# Allegro board ZDRK-36-DE3-A02-20190729.brd (continued)
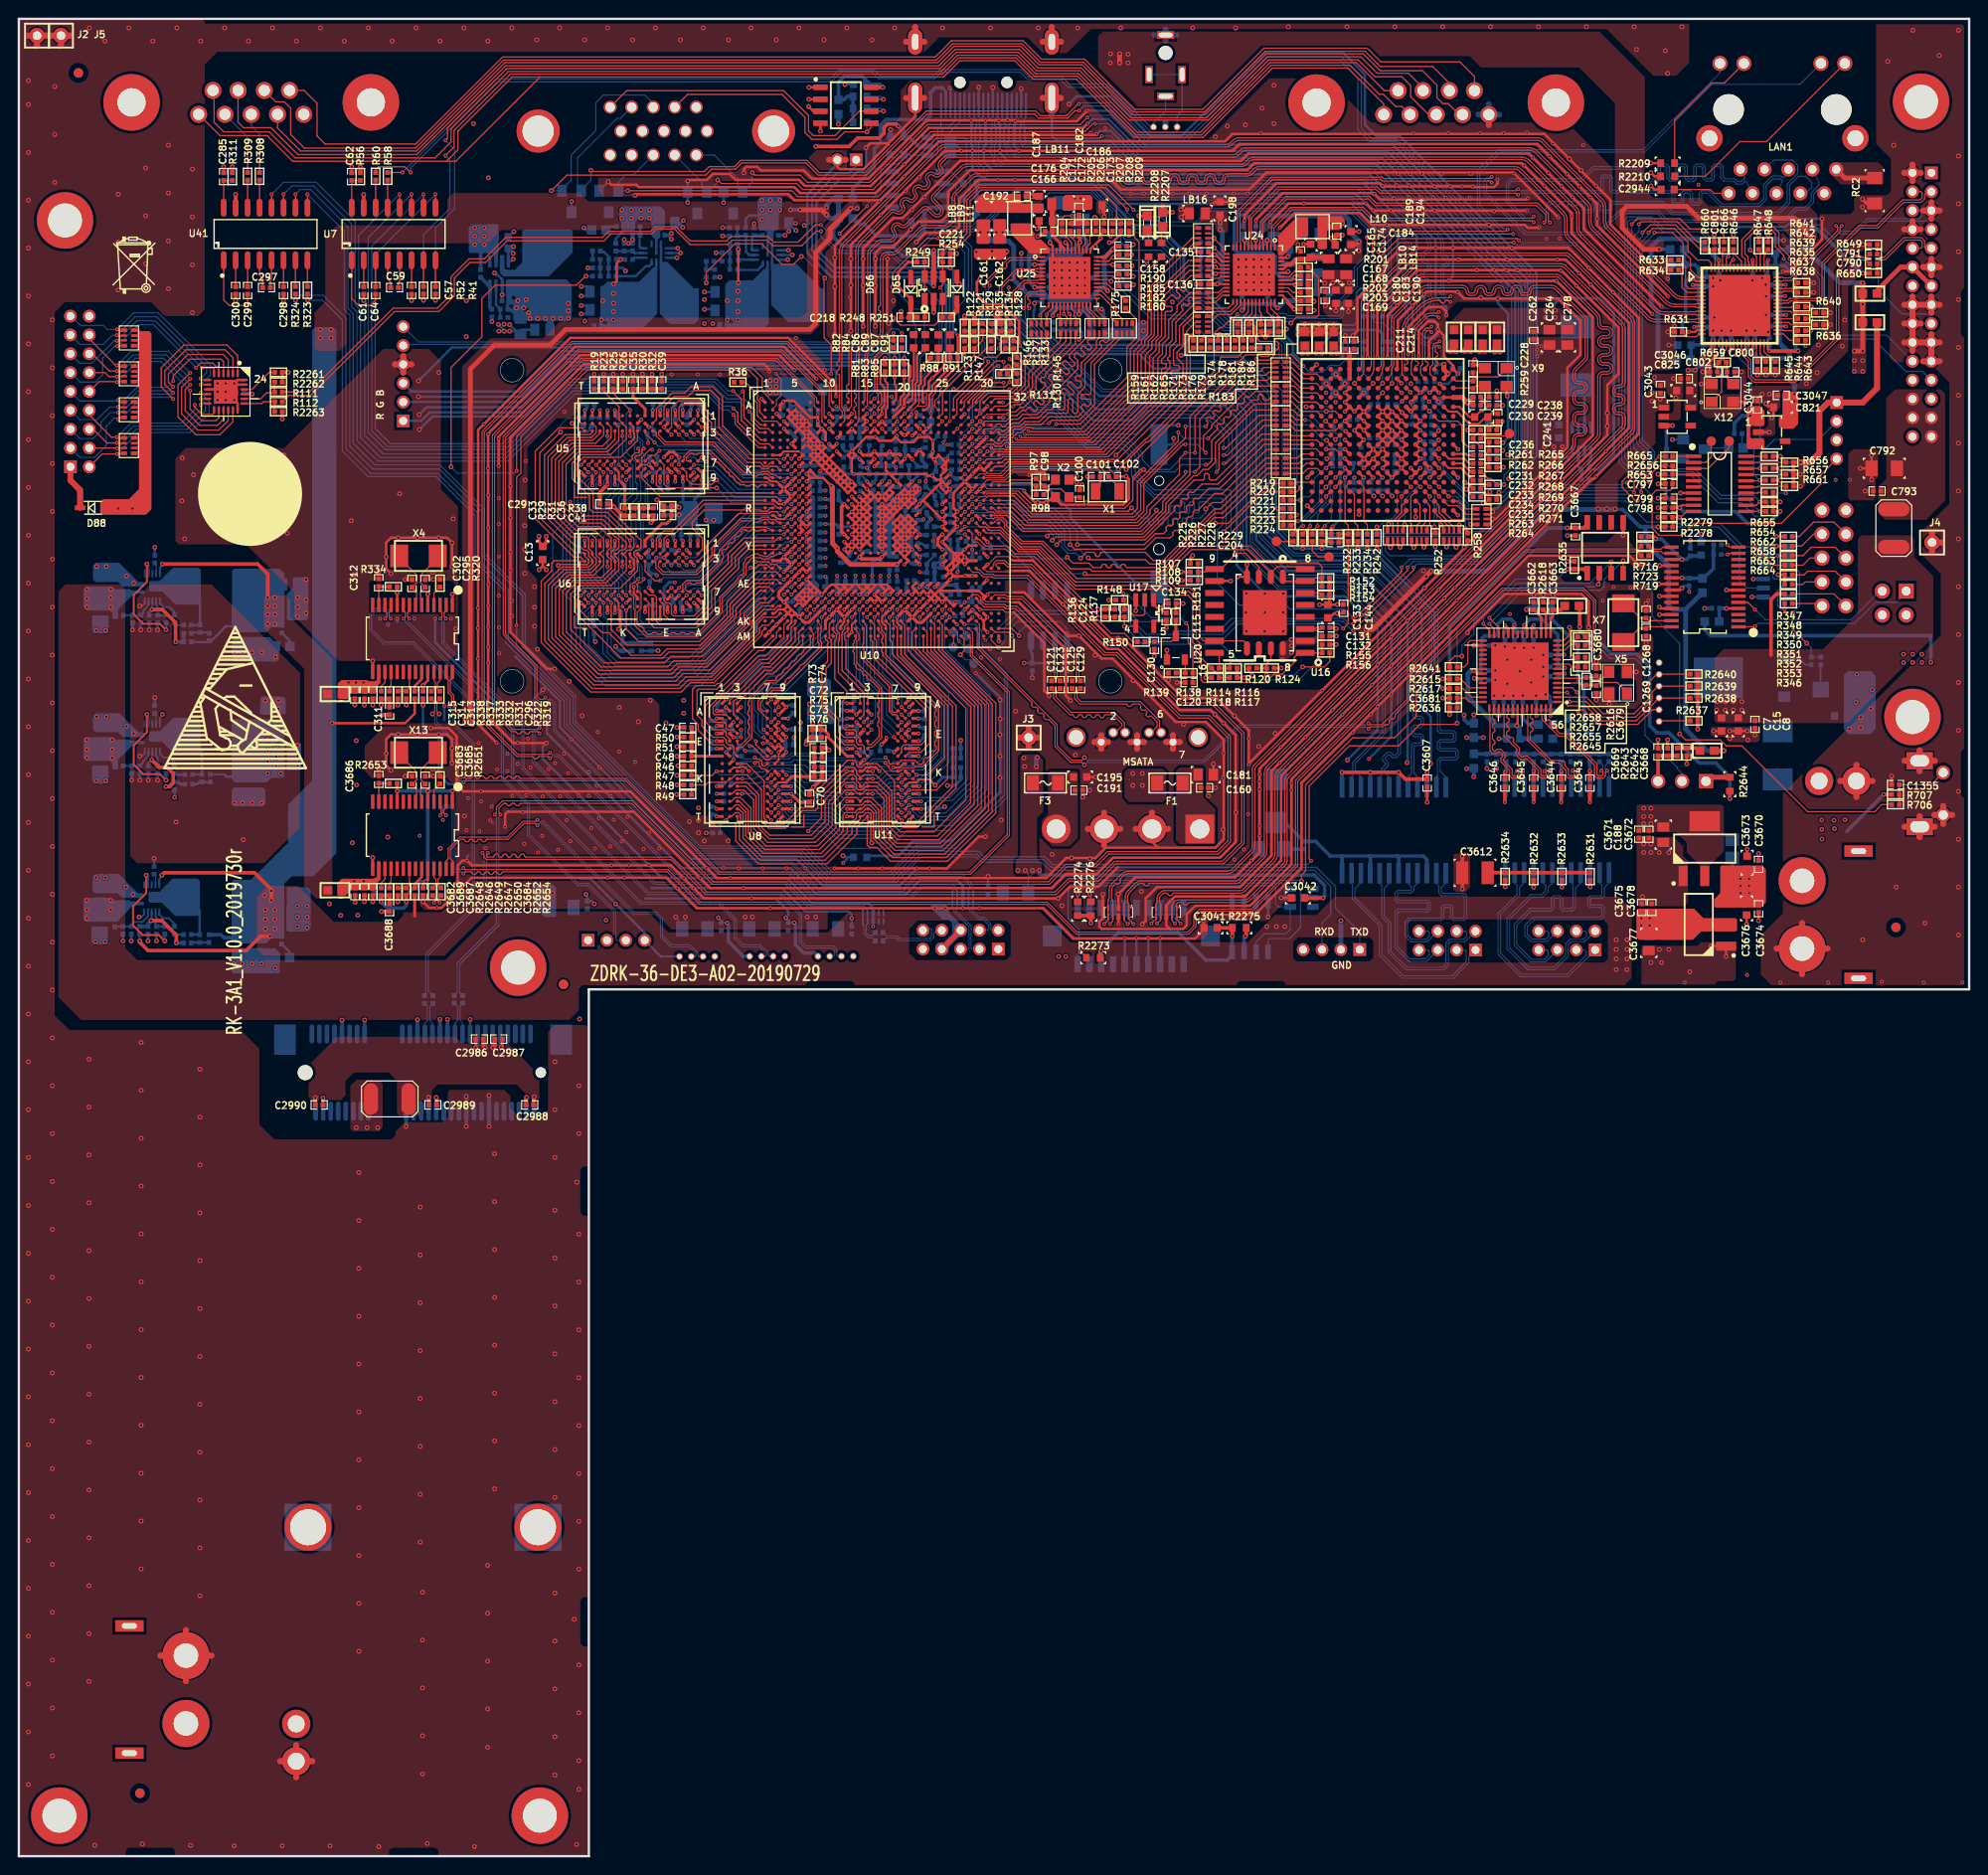
[diagram p0: board, top side]
## Routing (per net, layer and track width the routed paths; a pad name or vN(x,y) marks a point on that pad's centre or on a via; arc(x,y) is an arc through that point) (continued)
50.93,150.65 59.59,159.31 80.7,159.31 v1(82.3,157.71) ; U16.10 v2(128.63,135.33) ; R639.2 v2(190.25,164.44) ; v1(60.07,139.63) U6.T1 ; R636.2 v2(192.28,162.53) ; C2944.2 173.61,176.89 v2(173.23,177.27) ; C3687.2 v2(37.57,101.3) ; R2649.2 v2(40.23,101.3) ; C3607.2 v2(149.48,111.86) ; R2209.1 v2(173.23,179.68) ; C62.2 v2(35.33,179.3) ; C181.2 v2(126.8,115.93) ; U10.W13 v1(89.21,140.29) ; R647.1 v2(184.66,172.06) ; R642.2 v2(190.5,165.96) ; v2(93.98,158.98) R85.2 94.39,158.37 94.64,158.12 94.64,157 94.46,156.82 94.46,155.12 93.96,154.62 v1(93.96,153.89) ; C315.2 v2(35.66,122.17) ; C241.1 v2(157.43,152.27) ; U32.M16 v4(152.75,146.32) ; U103.18 23.22,154.17 v2(22.86,154.53) ; R2617.2 v2(151.13,123.93) ; v2(153.75,129.84) 153.75,130 157.71,133.96 165.86,133.96 166.62,133.2 v2(166.62,130.4) ; R234.1 v2(143.13,138.79)
  TOP w0.305: U10.W14 v1(89.21,139.49) ; U10.D16 v1(91.61,152.29) U10.D17 ; U10.AG16 91.21,133.49 v1(91.61,133.09) U10.AG17 ; U10.AG16 v1(90.81,133.09) 90.41,133.49 U10.AG15 v1(90.01,133.09) ; U10.AG16 v1(90.81,133.89) U10.AF16 ; U10.H19 93.51,148.79 92.91,148.79 U10.H18 v1(92.41,149.09) U10.H17 91.91,148.79 91.31,148.79 U10.H16 v1(90.81,149.09) U10.H15 U10.H14 v1(89.21,149.09) ; v1(86.81,132.29) U10.AJ10 v1(86.01,131.49) U10.AK9 U10.AL9 ; v1(86.81,132.29) U10.AJ11 v1(87.61,131.49) U10.AJ12 v1(88.41,132.29) U10.AH13 ; v1(86.81,132.29) U10.AH11 ; U10.C27 v1(100.39,153.07) ; U10.AD29 U10.AD28 v1(100.43,135.89) ; v1(70.07,133.82) U6.D8 ; U11.M9 v1(95.56,113.55) ; v1(91.61,153.09) U10.C16 ; 69.67,153.44 U5.D1 ; v1(71.27,139.6) U6.B1 ; v1(61.67,145.6) U5.P9 ; U5.B3 71.27,151.26 v1(71.67,150.86) ; v1(81.46,121.94) U8.A9 ; U10.L5 v1(82.01,145.89) U10.M4 v1(81.21,145.09) ; U6.M9 v1(63.27,131.96) ; v1(73.01,151.26) 73.01,151.92 v1(72.47,152.46) ; U10.AB5 v1(82.01,137.09) ; v1(82.01,137.09) U10.AC4 v1(81.21,136.29) ; v1(82.01,137.09) 81.61,137.49 U10.AB4 v1(81.21,137.89) ; v1(67.27,145.88) U5.G9 ; U5.B1 71.27,153.44 v1(71.27,153.44) ; U10.AF13 v1(88.41,133.89) ; U10.AH29 v1(102.01,132.29) ; C41.2 R38.2 68.36,143.31 v2(67.73,143.95) ; v1(94.81,131.49) U10.AJ21 v1(95.61,132.29) U10.AH22 v1(96.41,133.09) U10.AG23 ; v1(94.81,131.49) U10.AK21 95.37,130.94 95.86,130.94 U10.AK22 U10.AJ23 ; v1(94.81,131.49) U10.AK20 ; v1(94.81,131.49) 94.41,131.89 U10.AJ20 v1(94.01,132.29) ; U10.AC30 v1(102.81,137.09) ; v1(74.08,119.95) U8.D1 ; U10.W19 v1(94.01,139.49) ; U10.AF23 v1(96.41,133.89) ; v1(70.07,148.46) 69.52,149.01 69.02,149.01 v1(68.47,148.46) ; R30.2 v2(66.2,157.28) ; U10.AB2 U10.AB3 v1(81.21,137.89) ; v1(63.27,139.6) U6.M1 ; v1(69.27,146.86) 68.87,147.26 U5.E8 ; U11.B1 v1(87.92,121.55) ; U10.AB28 U10.AB29 ; U10.AB28 v1(100.41,137.89) ; U10.AB28 v1(100.41,137.09) ; v1(74.08,119.15) U8.E1 ; v1(94.5,118.75) U11.E8 94.1,119.18 94.47,119.55 v1(94.5,119.55) ; v1(102.74,150.6) 102.72,150.6 U10.F30 U10.G29 ; 100.81,139.09 U10.Y28 ; v1(69.27,133.82) 68.87,133.42 U6.E8 ; U10.H21 95.21,148.83 v1(95.61,149.22) 96.01,148.82 U10.H22 ; U10.Y20 v1(94.81,138.69) ; U10.AG4 v1(81.21,133.09) 80.81,133.49 U10.AG3 80.65,133.66 80.65,134.12 U10.AF3 U10.AE4 v1(82.01,135.49) U10.AD5 v1(82.81,136.29) U10.AC6 83.21,136.69 v1(83.61,136.29) U10.AC7 ; U10.E16 v1(90.81,151.49) U10.E15 ; v1(86.87,150.52) 87.21,150.87 U10.E11 ; U10.E12 88.01,151.09 v1(88.41,151.49) U10.E13 ; U8.M9 81.97,113.55 v1(81.97,113.55) ; v1(98.86,135.46) 98.78,135.46 U10.AE25 ; U10.V29 101.61,140.68 v1(101.96,140.33) ; v1(67.27,153.44) 67.27,153.44 U5.G1 ; U10.U6 v1(82.81,141.89) U10.T6 ; U10.U6 v1(83.61,141.09) U10.U7 ; U10.U6 v1(82.81,141.09) U10.V6 v1(82.81,140.29) ; v1(95.48,117.55) 95.48,117.55 U11.G9 ; U10.AG30 v1(102.81,133.89) ; v1(75.86,116.35) U8.J2 ; U10.AF10 v1(86.01,133.89) ; v1(68.47,137.82) U6.E2 ; U10.D10 v1(86.01,152.29) ; U10.C3 v1(80.41,153.09) ; U10.R5 v1(82.01,142.69) U10.T4 ; 55.98,139.5 55.6,139.12 55.22,139.5 v2(55.22,140.08) ; 55.98,139.5 55.98,139.38 C13.2 ; 55.98,139.5 v2(55.98,140.08) ; v1(94.01,132.29) U10.AH20 ; v1(94.01,132.29) U10.AJ19 v1(93.21,131.49) ; U10.D12 v1(88.41,152.29) ; v1(74.08,121.55) U8.B1 ; v1(61.67,153.45) U5.P1 ; U11.F9 95.48,118.35 v1(95.48,118.35) ; U10.L25 v1(98.81,146.69) ; U10.C12 v1(88.41,153.09) ; U10.AA30 v1(102.81,137.89) ; U10.Y13 v1(88.41,138.69) ; U10.W13 v1(88.41,139.49) ; v1(75.86,118.75) U8.E2 ; U10.B30 v1(102.81,153.89) ; v1(82.01,144.29) 81.61,144.69 U10.N4 v1(81.21,145.09) ; v1(82.01,144.29) U10.N5 ; v1(82.01,144.29) U10.P4 v1(81.21,143.49) ; U10.P16 91.61,144.29 v1(91.62,144.29) 91.62,144.29 U10.P17 ; v1(81.21,137.89) U10.AA4 v1(82.01,138.69) U10.Y5 ; v1(61.67,139.6) U6.P1 ; v1(63.27,145.55) U5.M9 ; U10.AH28 v1(100.43,132.31) ; v1(99.39,133.1) 99.39,132.87 U10.AH26 ; v1(94.5,120.35) U11.D8 ; U10.AF19 v1(93.21,133.89) ; U10.Y12 v1(87.61,139.49) ; v1(87.91,113.55) U11.M1 ; U10.Y19 v1(94.01,138.69) ; U10.G5 v1(82.01,149.89) 82.41,150.29 U10.F5 ; v1(81.21,145.09) U10.M3 ; v1(81.21,145.09) U10.N3 ; U10.U14 v1(89.21,141.09) ; U10.H6 v1(82.81,148.29) ; U6.T9 60.07,132.62 v1(59.67,133.02) ; U8.T9 81.06,110.35 v1(80.66,109.95) ; U10.C18 93.96,153.84 v1(93.96,153.89) ; U10.T13 v1(88.41,142.69) ; U10.E20 94.15,150.83 v1(94.01,150.83) 93.88,150.83 U10.E19 ; v1(89.7,119.55) 89.7,119.55 U11.E2 ; v1(81.92,111.95) U8.P9 ; U10.AM1 v1(79.61,129.89) U10.AL2 v1(80.41,130.69) U10.AK3 v1(81.21,131.49) U10.AJ4 ; U10.Y7 v1(83.61,138.69) ; 66.09,147.68 U5.J8 ; U5.D8 69.67,147.26 v1(70.07,146.86) ; v1(63.27,153.45) U5.M1 ; v2(98.86,168.58) R254.2 C221.2 v2(99.54,170.08) ; v1(70.87,133.02) U6.B9 ; v1(71.67,133.02) U6.A9 ; U10.N29 v1(102.01,145.09) U10.M30 ; U10.AD25 v1(98.81,136.29) U10.AC25 ; v1(71.67,146.86) U5.B9 ; U10.AH18 v1(92.41,132.29) U10.AJ17 ; U10.AF21 v1(94.81,133.89) ; v1(92.08,118.71) 92.08,118.5 v1(91.58,118) ; v1(100.41,145.89) 100.01,145.49 U10.M27 ; v1(100.41,145.89) U10.M28 arc(101.01,145.29) v1(101.21,145.09) ; v1(100.41,145.89) arc(100.61,146.09) U10.L28 v1(101.21,146.69) U10.K29 v1(102.01,147.49) U10.K30 102.81,147.49 U10.J31 ; U10.V20 v1(94.81,140.29) ; U10.D23 96.41,151.49 v1(96.37,151.49) 96.37,151.45 U10.E22 ; U10.F28 v1(101.14,150.62) ; U11.B3 90.1,121.55 v1(90.5,121.15) ; U10.Y25 v1(98.01,139.49) ; v1(68.07,145.88) U5.F9 ; R47.2 v2(69.85,114.71) ; U10.R26 v1(99.61,142.69) ; v1(66.07,152.46) U5.J2 ; v1(87.92,117.55) U11.G1 ; v1(94.5,109.95) 94.9,110.35 U11.T9 ; U10.E18 v1(93.21,151.49) ; U10.AG8 v1(84.41,133.09) ; U5.G8 v1(66.87,147.66) ; U10.E4 v1(81.21,151.49) ; v1(76.66,121.95) U8.B3 ; U10.AK6 83.37,130.94 83.86,130.94 U10.AK7 U10.AJ8 v1(85.21,132.29) U10.AH9 ; U10.AJ30 v1(102.81,131.49) ; U10.U13 v1(88.41,141.09) ; v1(80.66,117.15) 81.06,117.55 U8.G9 v1(80.66,117.95) U8.G8 v1(79.86,117.95) ; R48.2 v2(69.85,113.69) ; U10.V14 v1(89.21,140.29) ; v1(71.67,137.02) U6.B3 ; U11.A9 94.9,122.35 v1(94.5,121.95) ; U10.C10 v1(86.01,153.09) ; U10.P7 v1(83.61,143.49) ; C35.2 v2(65.19,157.28) ; U8.P1 v1(74.07,111.95) ; U10.J6 v1(82.81,147.49) ; v1(87.92,119.15) U11.E1 ; U10.AM32 v1(104.01,128.96) ; U8.M1 v1(74.07,113.55) ; U10.AK28 v1(101.22,131.5) ; U10.T26 v1(99.61,141.89) ; U10.P13 v1(88.41,144.29) ; U10.V19 v1(94.01,140.29) ; U10.AE6 v1(82.81,134.69) ; U10.M20 v1(94.81,145.89) ; R51.2 v2(69.86,117.75) ; v1(90.01,153.09) U10.C14 89.61,152.69 v1(90.01,152.29) U10.D14 ; U10.AA12 v1(87.61,138.69) ; U10.P14 v1(89.21,144.29) ; U10.F9 U10.E9 v1(85.21,151.49) 84.81,151.09 U10.E8 ; v1(67.27,139.6) U6.G1 ; U11.P9 v1(95.76,111.95) ; v1(90.02,145.09) 90.02,145.09 U10.N15 ; v2(69.86,116.74) C48.2 ; v1(66.07,137.82) U6.J2 ; v1(59.67,146.86) U5.T9 ; U10.T29 v1(102.01,141.89) ; U10.R13 v1(88.41,143.49) ; U10.AF22 v1(95.61,133.89) ; v1(101.21,145.09) U10.M29 ; v1(101.21,145.09) U10.N28 ; v1(94.82,150.77) 94.9,150.77 U10.E21 ; U10.U26 v1(99.61,141.09) ; C70.2 83.92,113.04 v2(84.33,113.45) ; U10.Y14 v1(89.21,138.69) ; U10.R14 v1(89.21,143.49) ; U10.V13 v1(88.41,140.29) ; U10.B3 80.81,154.02 v1(81.13,154.33) ; U10.H11 v1(86.81,149.09) ; v1(68.47,151.66) U5.E2 ; v1(89.7,116.35) U11.J2 ; U10.C20 v1(94.74,153.02) ; R25.2 v2(63.09,157.28) ; U10.AE30 v1(102.75,135.43) ; U5.E1 68.87,153.44 v1(68.87,153.44) ; U10.AF28 U10.AF29 ; v1(94.5,121.15) 94.9,121.55 U11.B9 95.48,121.55 v1(95.48,121.55) ; R23.2 v2(62.08,157.28) ; v1(80.66,119.55) U8.E8 ; U10.W30 v1(102.81,139.49) ; v1(86.01,149.89) U10.G10 v1(86.81,149.89) ; U10.AL30 v1(102.81,129.89) ; U10.AG25 v1(98.01,133.09) ; U10.AJ6 v1(82.81,131.49) 82.41,131.89 U10.AJ5 ; v1(61.67,131.75) U6.P9 ; v1(87.91,111.95) U11.P1 ; U10.AG24 v1(97.21,133.09) ; U10.T14 v1(89.21,142.69) ; U1490.2 v2(185.8,151.13) ; U8.G1 v1(74.08,117.55) ; U10.A1 v1(78.83,154.67) ; U10.AJ29 v1(102.01,131.49) ; U10.D4 v1(81.21,152.29) ; v1(71.67,146.06) U5.A9 ; U8.F9 v1(80.66,118.75)
  TOP w0.381: C3643.1 v1(166.75,111.86) ; v2(44.3,80.51) 44.35,80.47 C2989.2 ; C73.2 R76.2 85.25,114.37 v2(84.33,113.45) ; v2(83.57,118.01) 83.57,118.36 83.95,118.74 R73.2 C74.2 ; D90.A v2(122.43,174.47) ; C2988.2 53.82,80.47 v2(53.9,80.55) ; C311.2 v2(38.48,121.13) ; C3688.2 v2(38.48,100.25) ; C29.2 62.85,143.51 v2(63.17,143.19) 64.09,142.27 C33.2 R29.2 ; U41.15 v2(23.01,176.35) ; v2(153.21,102.64) C3612.2 v2(153.21,106.15) ; C3646.1 v1(157.73,111.86) ; C3644.1 v1(163.7,111.86) ; C3645.1 v1(160.78,111.86) ; RC2.2 196.14,175.41 v2(195.68,175.87) ; U7.15 v2(36.6,176.35) ; U1494.5 v2(170.28,140.18)
  TOP w0.508: C172.2 112.9,173.28 v1(113,173.38) 113.11,173.28 R205.2 ; C172.2 112.17,173.28 v1(112.09,173.36) 112.01,173.28 C171.2 ; C172.2 v1(112.52,173.74) C182.2 ; C184.2 139.71,171.31 v2(139.32,171.7) 139.52,171.7 C189.2 v2(140.46,172.06) ; U33.2 v2(97.1,163.86) ; J128.7 J128.6 ; R122.2 v2(100.38,163.45) ; R202.2 v2(136.86,166.4) C168.2 v2(136.86,167.28) C167.2 ; R135.1 R134.1 104.24,162.94 v1(103.63,163.55)
  TOP w0.635: J136.4 41.68,158.33 ; J136.4 40.8,159.21 ; J136.4 40.8,157.45 ; J136.4 39.92,158.33 ; 202.12,174.65 JE1.5 ; JE1.5 203.88,174.65 ; JE1.5 203,175.53 ; JE1.5 203,173.77 ; JE1.19 203,161.53 ; JE1.19 202.12,160.65 ; JE1.19 203,159.77 ; JE1.19 203.88,160.65 ; J4.1 204.1,139.42 ; J4.1 203.07,140.45 ; J4.1 203.07,138.39 ; SW1.1 205.21,110.51 ; SW1.1 204.25,109.55 ; SW1.1 204.25,111.46 ; SW1.1 203.3,110.51 ; 118.54,109.02 120.27,109.02 ; 120.27,109.02 120.27,110.74 ; 120.27,109.02 122,109.02 ; CON1.7 122.5,118.97 ; CON1.7 122.5,117.52 ; CON1.7 123.23,118.25 ; CON1.7 121.78,118.25 ; 29.44,8.38 J94.2 ; J94.2 29.44,11.79 ; J94.2 27.73,10.08 ; J94.2 31.14,10.08 ; JE1.15 203,165.53 ; JE1.15 203.88,164.65 ; JE1.15 203,163.77 ; JE1.15 202.12,164.65 ; 200.12,160.65 JE1.20 ; JE1.20 201,159.77 ; JE1.20 201,161.53 ; JE1.20 201.88,160.65 ; J70.3 116.92,109.02 ; J70.3 113.46,109.02 ; J70.3 115.19,107.29 ; J70.3 115.19,110.74 ; JE1.21 203,159.53 ; JE1.21 202.12,158.65 ; JE1.21 203.88,158.65 ; 106.16,118.72 J3.1 ; J3.1 108.22,118.72 ; J3.1 107.19,117.69 ; J3.1 107.19,119.75 ; 117.97,118.25 CON1.4 ; CON1.4 118.69,117.52 ; CON1.4 119.42,118.25 ; CON1.4 118.69,118.97 ; 200.12,162.65 JE1.18 ; JE1.18 201.88,162.65 ; JE1.18 201,161.77 ; JE1.18 201,163.53 ; 201.75,108.15 SW1.3 ; SW1.3 200.15,109.26 ; SW1.3 203.36,109.26 ; SW1.3 201.75,110.36 ; CON1.1 114.88,118.97 ; CON1.1 114.88,117.52 ; CON1.1 114.16,118.25 ; CON1.1 115.61,118.25 ; 94.17,192.56 J49.22 ; J49.22 96.1,192.56 ; J49.22 95.14,194.12 ; 108.67,186.6 J49.21 110.6,186.6 ; 200.12,172.65 JE1.8 ; JE1.8 201,173.53 ; JE1.8 201.88,172.65 ; 15.03,21.28 J126.2 ; J126.2 17.73,18.58 ; J126.2 20.44,21.28 ; J126.2 17.73,23.99 ; SW1.4 203.36,116.26 ; SW1.4 200.15,116.26 ; SW1.4 201.75,115.15 ; SW1.4 201.75,117.36 ; 0.9,193.22 J2.1 ; J2.1 2.96,193.22 ; J2.1 1.93,192.19 ; 200.12,178.65 JE1.2 ; JE1.2 201,179.53 ; JE1.2 201,177.77 ; JE1.2 201.88,178.65 ; 108.67,192.56 J49.23 ; J49.23 109.64,194.12 ; J49.23 110.6,192.56 ; JE1.16 201,165.53 ; JE1.16 201.88,164.65 ; JE1.16 201,163.77 ; JE1.16 200.12,164.65 ; 4.47,192.19 J5.1 ; J5.1 5.5,193.22 ; J5.1 3.44,193.22 ; 156.02,183.73 J22.5 ; 86,180.04 J135.2 87.75,180.04 ; 195.05,112.41 J125.2 ; J125.2 195.05,115.82 ; J125.2 196.75,114.11 ; J125.2 193.34,114.11 ; 189.28,93.62 J134.2 ; J134.2 191.98,96.32 ; J134.2 189.28,99.02 ; J134.2 186.57,96.32 ; 202.12,168.65 JE1.11 ; JE1.11 203,167.77 ; JE1.11 203,169.53 ; JE1.11 203.88,168.65 ; 94.17,186.6 J49.20 96.1,186.6
  GND02 w0.635: 29.44,8.38 J94.2 ; J94.2 31.14,10.08 ; J94.2 27.73,10.08 ; J135.2 86.87,180.91 ; J135.2 86,180.04 ; J135.2 87.75,180.04 ; J135.2 86.87,179.16 ; 106.16,118.72 J3.1 ; J3.1 108.22,118.72 ; J3.1 107.19,117.69 ; J3.1 107.19,119.75 ; CN3.8 68.48,183.97 ; CN3.8 67.59,183.08 ; CN3.8 68.48,182.19 ; CN3.8 69.37,183.08 ; CN3.10 63.91,183.97 ; CN3.10 64.8,183.08 ; CN3.10 63.91,182.19 ; CN3.10 63.02,183.08 ; 118.69,117.52 CON1.4 ; CON1.4 118.69,118.97 ; CON1.4 117.97,118.25 ; CON1.4 119.42,118.25 ; 94.17,186.6 J49.20 ; J49.20 96.1,186.6 ; J49.20 95.14,184.75 ; J49.20 95.14,188.46 ; J136.4 40.8,159.21 ; J136.4 39.92,158.33 ; J136.4 41.68,158.33 ; J136.4 40.8,157.45 ; JE1.18 201,163.53 ; JE1.18 200.12,162.65 ; JE1.18 201.88,162.65 ; JE1.18 201,161.77 ; 204.25,109.55 SW1.1 ; SW1.1 203.3,110.51 ; SW1.1 205.21,110.51 ; SW1.1 204.25,111.46 ; SW1.4 203.36,116.26 ; SW1.4 201.75,117.36 ; SW1.4 200.15,116.26 ; SW1.4 201.75,115.15 ; 118.54,109.02 120.27,109.02 ; 120.27,109.02 122,109.02 ; 120.27,109.02 120.27,110.74 ; 120.27,109.02 120.27,107.29 ; CON1.7 123.23,118.25 ; CON1.7 122.5,117.52 ; CON1.7 121.78,118.25 ; CON1.7 122.5,118.97 ; 200.12,178.65 JE1.2 ; JE1.2 201.88,178.65 ; JE1.2 201,177.77 ; JE1.2 201,179.53 ; 200.15,109.26 SW1.3 ; SW1.3 201.75,110.36 ; SW1.3 203.36,109.26 ; SW1.3 201.75,108.15 ; 70.76,182.19 CN3.7 ; CN3.7 70.76,183.97 ; CN3.7 69.87,183.08 ; CN3.7 71.65,183.08 ; 201,163.77 JE1.16 ; JE1.16 200.12,164.65 ; JE1.16 201.88,164.65 ; JE1.16 201,165.53 ; JE1.8 201,173.53 ; JE1.8 201.88,172.65 ; JE1.8 201,171.77 ; JE1.8 200.12,172.65 ; 61.87,180.54 CN3.5 ; CN3.5 62.76,179.65 ; CN3.5 63.65,180.54 ; CN3.5 62.76,181.43 ; 189.28,93.62 J134.2 ; J134.2 186.57,96.32 ; J134.2 189.28,99.02 ; J134.2 191.98,96.32 ; JE1.11 203,169.53 ; JE1.11 203.88,168.65 ; JE1.11 202.12,168.65 ; JE1.11 203,167.77 ; J4.1 203.07,140.45 ; J4.1 203.07,138.39 ; J4.1 204.1,139.42 ; J4.1 202.04,139.42 ; J6.6 174.1,127.23 ; J6.6 174.66,126.67 ; J6.6 173.54,126.67 ; 202.12,174.65 JE1.5 ; JE1.5 203.88,174.65 ; JE1.5 203,173.77 ; JE1.5 203,175.53 ; J49.22 95.14,194.12 ; J49.22 95.14,191 ; J49.22 96.1,192.56 ; J49.22 94.17,192.56 ; 6.6,163.45 J127.18 ; J127.18 8.36,163.45 ; J127.18 7.48,164.33 ; J127.18 7.48,162.57 ; 156.02,183.73 J22.5 ; J22.5 154.92,184.84 ; J22.5 157.13,184.84 ; J22.5 156.02,185.94 ; J5.1 5.5,193.22 ; J5.1 4.47,192.19 ; J5.1 3.44,193.22 ; J124.3 200.33,132.73 ; J124.3 200.33,130.72 ; J124.3 199.33,131.72 ; J124.3 201.33,131.72 ; 203,163.77 JE1.15 ; JE1.15 203.88,164.65 ; JE1.15 202.12,164.65 ; JE1.15 203,165.53 ; 29.14,184.86 J23.5 ; J23.5 31.35,184.86 ; J23.5 30.24,185.97 ; J23.5 30.24,183.76 ; 121.72,192.68 J111.6 ; J111.6 122.82,193.28 ; J111.6 120.61,193.28 ; J111.6 121.72,193.89 ; 201,159.77 JE1.20 ; JE1.20 200.12,160.65 ; JE1.20 201,161.53 ; JE1.20 201.88,160.65 ; 113.46,109.02 J70.3 ; J70.3 116.92,109.02 ; J70.3 115.19,110.74 ; J70.3 115.19,107.29 ; 73.05,182.19 CN3.6 ; CN3.6 73.05,183.97 ; CN3.6 73.94,183.08 ; CN3.6 72.16,183.08 ; 1.93,192.19 J2.1 ; J2.1 2.96,193.22 ; J2.1 0.9,193.22 ; 109.64,191 J49.23 ; J49.23 110.6,192.56 ; J49.23 109.64,194.12 ; J49.23 108.67,192.56 ; 196.79,131.72 J124.4 ; J124.4 198.79,131.72 ; J124.4 197.79,132.73 ; J124.4 197.79,130.72 ; JE1.21 203,159.53 ; JE1.21 202.12,158.65 ; JE1.21 203,157.77 ; JE1.21 203.88,158.65 ; 114.88,117.52 CON1.1 ; CON1.1 115.61,118.25 ; CON1.1 114.16,118.25 ; CON1.1 114.88,118.97 ; J126.2 20.44,21.28 ; J126.2 17.73,18.58 ; J126.2 15.03,21.28 ; J126.2 17.73,23.99 ; J49.21 110.6,186.6 ; J49.21 109.64,188.46 ; J49.21 108.67,186.6 ; J49.21 109.64,184.75 ; 121.69,184.07 J123.2 121.69,182.96 ; 195.05,112.41 J125.2 ; J125.2 196.75,114.11 ; J125.2 195.05,115.82 ; J116.3 193.83,150.29 ; J116.3 192.07,150.29 ; J116.3 192.95,149.41 ; JE1.19 203,161.53 ; JE1.19 203.88,160.65 ; JE1.19 203,159.77 ; JE1.19 202.12,160.65
  BOTTOM w0.127: v1(80.32,123.28) 80.32,122.38 80.24,122.3 80.24,121.56 v1(80.66,121.15) ; v1(70.07,148.46) 71.7,148.46 72.16,148.01 v1(72.94,148.01)
  BOTTOM w0.203: v2(12.83,116.74) 13.08,116.74 13.37,117.03 U2.14 ; U1493.14 13.37,132.98 13.08,132.69 v2(12.83,132.69) ; U1493.2 12.45,134.85 v2(12.19,135.1) ; v2(12.12,102.08) 12.38,101.83 U126.2 ; v2(12.19,119.15) 12.45,118.89 U2.2 ; U126.14 13.3,99.96 13.01,99.67 v2(12.76,99.67)
  BOTTOM w0.254: 67.16,102.74 v1(76.86,102.74) 81,102.74 83.49,100.25 88.06,100.25 88.39,99.92 v2(88.39,99.54) C3030.2 ; R370.2 107.95,164.97 v2(107.8,164.82) 107.8,164.08 107.7,163.98 107.7,163.19 110.52,160.38 123.57,160.38 v2(124.54,161.34) ; v2(61.09,101.07) 60.81,101.35 C3029.2 60.33,101.96 v2(60.2,102.08) ; U75.2 99.59,181.46 100.05,181 v1(100.05,180.97) ; J135.2 86.87,179.58 83.69,176.4 83.69,170.15 86.23,167.61 97.54,167.61 98.4,166.76 98.4,159.54 v1(98.22,159.36) ; C382.2 94.22,134.35 94.68,133.89 v1(94.81,133.89) ; D23.3 v2(58.67,175.62) ; v1(66.78,149.99) 66.78,150.37 66.69,150.46 C497.2 ; v2(59.69,163.68) 60.2,163.68 C51.2 60.15,164.57 v2(59.69,164.57) ; U9.11 v2(82.11,169.94) ; 115.68,171.26 v2(115.74,171.26) ; C805.2 175.13,168.88 ; 175.13,168.88 v2(174.62,169.39) ; 175.13,168.88 v2(174.62,168.38) ; v2(94.64,172.64) 94.68,172.68 C2378.1 ; v1(113.39,185.24) 115.93,185.24 119.53,181.64 145.85,181.64 v4(150.27,177.22) v1(151.46,176.02) 157.99,169.49 v4(157.99,169.44) 160.15,167.28 160.15,149.3 v2(159.92,149.07) ; 52.78,161.85 53.18,161.85 53.34,162 C9.2 ; 52.78,161.85 v2(52.09,162.54) ; 52.78,161.85 v2(52.09,161.85) 51.61,161.85 ; C63.2 v2(81.32,172.03) ; 51.1,85.91 v2(51.18,85.83) ; C156.2 139.13,165.01 v2(138.66,164.54) ; v4(142.75,152.32) 142.6,152.48 C345.2 ; R238.1 145.31,153.88 v2(144.75,153.32) ; D26.1 v2(74.8,175.49) ; v2(14.73,114.2) C18.2 14.73,114.94 ; J49.2 v2(106.39,187.59) ; D87.C v2(27.22,94.26) ; C24.1 51.99,171.86 v2(52.55,172.42) ; v2(8.26,136.88) 8.26,136.12 8.56,135.81 C3051.2 8.97,135.81 9.27,136.12 v2(9.27,136.88) ; U46.3 v2(184.1,135.55) ; C321.2 150.42,151.89 150.7,151.61 v2(150.7,151.28) 150.42,151 C322.2 ; v2(175.74,162.38) R631.2 v2(175.03,161.77) ; v2(50.95,161.85) v2(51.51,161.85) 51.61,161.85 ; U58.2 91.87,176.25 91.31,175.69 v1(91.31,175.62) ; v2(91.95,158.98) 91.54,158.57 58.24,158.57 53.45,153.78 43.29,153.78 v2(42.49,152.98) ; C3040.2 v2(102.87,103.99) ; v2(75.18,99.03) 75.16,99.06 C3.2 74.55,99.29 v2(74.24,99.59) ; C455.2 86.49,155.68 86.74,155.93 86.74,157.58 86.51,157.81 58.67,157.81 53.65,152.79 43.9,152.79 v2(42.52,151.41) ; D24.1 v2(62.55,177.71) ; v2(64.39,168.25) 64.07,168.57 R43.2 ; v1(99.61,141.09) 99.33,141.09 98.78,140.54 C357.2 ; v2(92.96,158.98) 92.96,159.36 92.38,159.94 91.19,159.94 90.58,159.33 57.77,159.33 53.32,154.89 v2(42.42,154.89) ; U108.2 v2(133.99,101.7) ; U13.35 v2(47.9,88.82) ; C2318.1 v2(87.68,188.04) ; C810.2 187.05,167.97 v1(187.26,168.19) ; 52.63,120.29 52.63,120.4 44.2,128.83 44.2,131.34 v1(44.19,131.34) ; R397.1 92.15,154.89 v1(92.63,154.89) 92.84,154.69 R396.2 ; U4.10 v2(69.93,170.65) ; R8.2 v2(13.74,114.2) ; v1(95.61,149.22) 95.86,149.48 C374.2 ; v1(130.1,173.58) 129.92,173.41 C142.2 ; C3648.1 v2(157.61,123.16) ; v2(59.69,166.6) 60.62,166.6 C50.2 60.17,165.58 v2(59.69,165.58) ; U45.2 v1(184.28,138.02) ; C823.2 v2(184.02,167.23) ; C3664.1 v2(157.1,118.59) ; v4(140.75,146.32) 141.66,147.22 C343.2 ; C3656.1 v2(156.72,128.5) ; C826.2 v2(181.74,161.9) ; v2(106.4,167.61) C152.2 v2(106.4,170.13) ; C340.2 143.36,150.71 v4(142.75,151.32) ; v3(87.73,153.87) R401.2 ; U107.3 v2(131.32,99.67) ; v2(70.99,175.49) D25.1 v2(70.99,177.77) ; C815.2 v2(179.83,166.6) ; C819.2 v2(185.42,166.78) ; C827.2 180.47,167.36 v2(180.59,167.23) ; C139.2 129.82,165.85 v2(129.45,166.22) ; v4(142.75,150.32) 142.47,150.03 C342.2 ; R482.2 v2(11.05,97.13) ; v2(195.1,125.43) D2.1 v2(196.72,123.8) ; v1(104.95,184.23) 104.89,184.29 J49.5 ; C3653.1 v2(161.8,125.2) ; v2(12.19,135.1) 12.09,135 C3057.2 v2(11.43,135.86) ; v1(93.98,178.28) 93.22,177.52 U58.3 ; R483.2 v2(14.36,105.89) ; v2(161.8,127.48) C3658.1 ; v2(89.92,181.33) 89.94,181.31 89.94,179.3 89.53,178.89 89.08,178.89 88.14,177.95 ; 51.96,170.61 C25.1 51.95,170.59 U3.4 52.23,169.25 v2(52.47,169.5) ; 51.96,170.61 52.29,170.61 v2(52.5,170.82) ; 51.96,170.61 v2(52.47,170.11) ; v4(144.75,151.32) 144.25,150.81 C338.2 ; v2(8.26,120.93) 8.26,120.17 8.56,119.86 C5.2 8.97,119.86 9.27,120.17 v2(9.27,120.93) ; R2566.2 v2(13.84,130.15) ; v1(47.57,105.66) 47.57,106.07 47.75,106.25 ; D71.C 60.21,172.58 v2(59.98,172.81) ; v2(122.58,150.47) 122.58,150.07 122.33,149.82 BT1.2 121.03,150.93 121.97,151.87 v2(123.06,151.87) ; U4.12 v2(69.85,169.65) ; U9.12 v2(81.62,169.44) ; v1(105.08,166.5) 105.08,165.63 104.75,165.3 104.75,163.32 v1(107.54,160.53) 110.19,157.89 111.76,157.89 114.68,154.97 117.53,154.97 119,156.44 128.78,156.44 131.32,153.9 131.32,139.73 134.65,136.4 142.14,136.4 v1(147.41,131.13) 147.41,116.12 v2(147.35,116.05) ; v2(132.7,166.22) 132.54,166.05 C155.2 ; v1(90.68,98.65) U106.10 U106.9 90.68,100.63 90.14,101.17 84.18,101.17 81.53,103.81 v1(75.54,103.81) v1(72.31,103.81) v1(70.59,103.81) 68.25,103.81 v1(66.88,105.18) 55.6,116.46 55.6,117.75 v2(55.98,118.14) ; v2(55.63,123.8) 54.74,122.91 54.74,122.25 56.07,120.92 56.07,119.16 70.36,104.88 v1(73,104.88) v1(74.8,104.88) 81.89,104.88 84.68,102.08 94.13,102.08 95.58,103.53 99.64,103.53 100.2,102.97 U105.9 U105.10 100.2,100.63 v1(100.18,100.61) ; C14.2 v2(12.85,114.2) ; 73.9,164.18 v2(72.77,164.18) ; v1(45.16,122.09) 45.16,120.58 ; v2(8.2,130.07) 8.2,130.84 8.51,131.14 C3058.2 8.92,131.14 9.22,130.84 v2(9.22,130.07) ; 81.72,173.3 v2(82.49,172.53) ; 81.72,173.3 C60.2 v2(82.44,173.32) ; 81.72,173.3 v2(81.72,172.46) ; v2(124.69,170.38) 124.69,170.66 125.3,171.27 R375.2 ; R11.2 v2(14.43,122.96) ; C806.2 C804.2 179.71,167.61 v2(179.83,167.49) ; 98.12,149.59 v3(98.12,150.06) 98.32,150.27 C362.2 ; 98.12,149.59 C360.2 ; 98.12,149.59 98.34,149.81 v3(98.58,149.81) R388.2 ; v4(151.51,163.55) 151.51,164.39 150.39,165.51 v1(150.39,170.69) 150.39,171.48 143.38,178.49 118.01,178.49 115.52,180.97 v1(115.44,180.97) v1(113.49,180.97) v1(110.36,180.97) v1(108.03,180.97) v1(106.17,180.97) 105.66,181.48 U63.9 U63.10 105.66,183.74 105.77,183.85 v1(105.77,184.18) ; J130.6 v1(121.13,97.43) ; R244.1 145.97,164.24 v1(146.3,164.57) 144.95,165.93 v1(144.95,168.19) 144.95,171.84 141.4,175.39 v1(136.4,175.39) 128.68,175.39 v1(128.6,175.31) 128.55,175.36 116.74,175.36 114.2,177.9 v1(113.72,177.9) v1(111.73,177.9) v1(110.21,177.9) v1(108.23,177.9) v1(105.74,177.9) v1(103.91,177.9) 102.79,177.9 102.49,178.21 102.13,178.21 101.22,179.12 v1(101.22,180.97) 101.22,181.53 101.12,181.64 101.12,184.12 101.09,184.15 v1(101.09,184.2) ; v2(158.12,146.18) 158.88,146.94 158.88,149.23 159.48,149.83 159.48,166.71 v4(157.89,168.3) v1(150.14,176.05) v1(147.68,178.51) 145.24,180.95 119.08,180.95 115.65,184.38 114.02,184.38 113.51,183.87 v1(113.44,183.87) ; C646.2 v2(14.61,97.13) ; C146.2 v1(131.32,173.58) ; U107.2 v2(130.05,99.67) ; v1(114.4,182.78) 114.73,183.11 115.87,183.11 118.72,180.26 144.65,180.26 v1(146.41,178.51) v1(150.27,174.65) 158.83,166.09 158.83,150.14 158.22,149.53 158.22,148.95 v2(158.01,148.74) ; C143.2 109.69,166.47 v2(109.9,166.69) ; J49.17 98.89,187.6 v1(98.81,187.68) ; v2(104.15,120.71) v2(104.15,122.71) 104.15,122.97 v1(101.57,125.55) ; R485.2 v2(13.72,97.13) ; R68.2 v2(74.69,172.84) ; C3657.1 v2(156.72,125.83) ; v1(96.37,151.49) 95.76,152.1 R393.2 ; C2991.1 v2(92.52,183.24) ; v2(82.3,99.06) C3031.2 81.66,99.34 v2(81.41,99.59) 81.66,99.85 81.66,100.3 80.31,101.65 v1(77.8,101.65) 66.47,101.65 ; C325.2 C324.2 150.6,149.22 v2(150.72,149.35) ; C816.2 185.93,162.38 185.67,162.13 v2(185.67,161.77) 185.8,161.65 C807.2 ; C3666.1 v2(155.83,115.42) ; v2(12.19,119.15) 12.09,119.05 C11.2 v2(11.43,119.91) ; C349.2 139.55,152.11 v4(139.75,152.32) ; v2(191.39,173.79) 188.42,173.79 187.55,172.92 182.4,172.92 181.99,172.52 v2(181.99,172.06) ; U107.4 v2(132.59,99.67) ; v2(109.9,167.5) 109.69,167.72 C148.2 ; v4(146.75,152.32) 147.1,151.97 C330.2 ; 52.68,127.33 57.43,122.58 57.43,119.81 71.4,105.84 82.51,105.84 v1(83.49,104.86) 85.35,103 93.49,103 v1(95.33,104.83) ; v1(102.81,133.89) 102.02,133.1 R381.2 ; C3659.1 v2(161.8,126.21) ; R70.2 v2(74,170.17) ; R34.2 v2(65.14,171.57) C37.2 v2(64.71,171.16) R37.2 v2(64.25,171.57) ; C824.2 v2(180.72,161.9) ; v1(167.39,146.41) 167.13,146.15 R305.2 ; C817.2 v2(183.39,161.9) ; v2(149.86,115.95) 149.86,120.93 148.89,121.89 148.89,131.8 v1(148.49,132.21) 143.18,137.52 135.23,137.52 132.33,140.41 132.33,154.66 129.11,157.89 120.42,157.89 118.9,159.41 110.08,159.41 106.14,163.36 106.14,164.55 106.45,164.87 106.45,165.23 106.25,165.43 v1(106.25,165.68) ; v1(104.04,184.2) 104.04,183.79 104.14,183.69 v1(104.14,181) 104.14,180.75 104.95,179.93 115.04,179.93 117.47,177.5 142.8,177.5 v1(145.64,174.65) 148.36,171.93 v1(148.36,170.69) v1(148.36,166.62) 149.15,165.84 v1(149.15,165.76) 149.15,163.5 149.61,163.04 150.11,163.04 150.62,162.53 v4(150.62,162.03) 150.62,161.52 150.24,161.14 149.22,161.14 147.93,162.43 v1(147.93,164.52) 146.35,166.09 146.35,171.98 141.88,176.45 v1(130.45,176.45) v1(128.98,176.45) v1(126.06,176.45) v1(124.21,176.45) v1(122.48,176.45) v1(120.98,176.45) v1(119.43,176.45) v1(118.01,176.45) 117.02,176.45 114.5,178.97 103.3,178.97 102.44,179.83 v1(102.44,180.97) 102.44,181.46 102.62,181.64 U62.9 U62.10 v1(102.62,184.18) ; 156.33,142.99 156.8,142.99 160.05,146.23 v2(160.05,147.52) 161.11,148.59 161.11,159.16 v1(161.16,159.21) 161.09,159.28 161.09,159.79 v1(161.16,159.87) 161.09,159.94 161.09,160.38 v1(161.16,160.45) 161.09,160.53 161.09,168.05 v2(156.01,173.13) v1(151.92,177.22) 146.56,182.58 144.04,182.58 142.88,183.74 142.88,189.08 140.59,191.36 132.21,191.36 123.42,182.58 120.07,182.58 115.87,186.77 112.27,186.77 v2(111.46,185.95) ; v2(195.5,120.88) 195.38,121.01 C30.2 194.12,119.82 v2(194.31,119.63) ; C3660.1 v2(158.75,128.24) ; C366.2 96.39,137.24 97.18,138.02 C370.2 ; v1(98.81,146.69) 99.03,146.91 R387.1 98.32,147.14 C361.2 ; C151.2 v1(132.84,173.46) ; JU1.4 68.15,95.48 JU2.4 66.43,97.99 v2(63.36,101.05) 60.68,103.73 59.56,103.73 ; v2(69.26,172.23) 69.08,172.05 68.82,172.05 ; v2(150.7,150.29) 150.52,150.11 C323.2 ; C3654.1 v2(156.72,124.82) ; 51.61,161.85 v2(50.9,162.56) ; v2(9.15,97.05) 9.15,97.82 8.85,98.12 8.44,98.12 8.14,97.82 v2(8.14,97.05) ; C97.1 v2(107.57,125.07) ; v1(99.67,161.39) 99.19,161.87 99.19,168.25 v2(98.86,168.58) 86.66,168.58 84.66,170.59 84.66,175.49 87.12,177.95 ; C80.2 23.09,154.76 v2(22.86,154.53) ; U46.1 v2(183.96,133.64) ; C822.2 v2(185.45,163.58) ; 109.64,184.75 109.64,182.56 110.13,182.07 115.85,182.07 118.39,179.53 144.12,179.53 152.22,171.42 v4(152.22,170.69) 152.22,167.64 v4(151.77,167.18) ; C502.2 61.67,152.68 C505.2 ; 68.82,172.05 v2(69.26,171.62) ; 68.82,172.05 C34.2 ; C3647.1 v2(161.04,123.16) ; U58.1 92.28,174.98 v1(91.49,174.19) ; v2(185.04,167.49) 185.52,167.97 C808.2 ; v2(93.98,158.98) 93.98,159.56 92.76,160.78 90.81,160.78 90.14,160.12 45.97,160.12 v2(42.42,156.57) ; C3652.1 v2(160.78,128.24) ; R4.2 v2(11.96,114.2) ; C320.2 149.94,153.16 v2(149.73,153.37) 149.43,153.67 C328.2 149.05,153.7 C327.2 ; C3053.2 v2(14.73,130.15) ; C3661.1 v2(159.64,123.16) ; Q20.2 v2(175.51,150.34) ; R59.2 v2(78.04,173.27) ; C53.2 v2(60.39,168.57) ; v2(162.05,123.29) 162.31,123.29 162.56,123.04 C1319.1 ; 111.25,133.35 111.25,133.27 v1(110.82,132.84) ; 111.25,133.35 U12.4 ; 111.25,133.35 111.56,133.05 v1(112.12,133.05) ; C640.2 v2(11.94,97.13) ; v1(46.82,113.35) 46.41,113.77 45.62,113.77 44.58,114.81 v2(44.58,119.05) 43.41,119.05 42.9,119.56 v2(42.9,122.17) ; D89.C v2(27.25,127.28) ; C3649.1 v2(158.62,123.16) ; C3650.1 v2(156.59,123.16) ; v4(150.81,156.27) 151.7,156.27 v4(152.75,157.32) ; C3655.1 v2(159.77,128.24) ; v2(123.37,159.28) 129.62,159.28 133.43,155.47 133.43,143.21 v1(133.6,143.03) 133.6,140.56 135.38,138.79 v2(136.27,138.79) v2(138.3,138.79) v2(142.11,138.79) v2(143.13,138.79) 143.48,138.79 150.29,131.98 150.29,126.57 ; v2(156.97,165.3) 157,165.28 157,164.8 158.06,163.73 158.06,155.04 v2(157.99,154.97) 158.06,154.89 158.06,150.55 v2(157.53,150.01) ; C32.2 69.99,173.35 ; 69.99,173.35 v2(70.47,172.86) ; 69.99,173.35 70.3,173.35 v2(70.55,173.6) ; C814.2 v2(179.83,161.9) 179.45,162.28 C811.2 ; v2(132.26,134.01) 129.29,136.98 129.29,152.63 128.02,153.9 119.63,153.9 118.14,152.4 114,152.4 111.15,155.24 109.78,155.24 102.26,162.76 102.26,165.13 101.7,165.68 101.7,167.08 v2(102.03,167.41) ; v3(86.74,153.87) 86.84,153.77 R402.2 ; C279.2 v2(161.93,147.55) ; C3651.1 v2(157.73,128.37) ; C818.2 v2(184.28,161.9) ; 50.29,109.68 v1(50.04,109.93) ; C20.2 51.28,165.44 51.3,165.46 v2(51.3,165.71) U3.6 51.3,167.34 50.82,167.82 50.69,167.82 v2(50.49,168.02) ; v1(143.31,116.46) 145.67,118.82 v1(145.67,123.29) v1(145.67,126.34) v1(145.67,129.39) 145.67,130.53 140.98,135.22 134.02,135.22 130.3,138.94 130.3,153.26 128.4,155.17 119.38,155.17 117.78,153.57 114.35,153.57 111.35,156.57 110.01,156.57 v1(106.25,160.32) 103.63,162.94 v1(103.63,163.55) ; C71.2 v2(74.41,167.58) ; C820.2 v2(185.45,165.56) ; R2564.2 v2(14.43,138.91) ; J130.12 v1(117.38,97.43) ; C68.2 v2(72.77,166.01) ; v2(134.21,134.01) 134.52,133.71 140.74,133.71 144.22,130.23 v1(144.22,122) 144.22,119.53 v2(141.02,116.33) ; v2(8.19,103.86) 8.19,103.1 8.49,102.79 8.9,102.79 9.2,103.1 v2(9.2,103.86) ; v4(142.75,153.32) 143.21,153.32 143.46,153.57 R237.1 ; R380.2 102.01,134.69 102.34,135.02 ; J130.8 v1(119.88,97.43) ; U9.10 v2(81.68,170.44) ; C3056.2 v2(12.95,130.15) ; U58.4 93.22,178.79 v1(93.98,179.55) ; v1(177.29,134.19) C2879.2 176.76,134.82 v2(176.53,134.59) ; C3665.1 v2(156.84,115.42) ; J130.10 v1(118.63,97.43) ; J49.11 v2(101.89,187.75) ; C813.2 v2(175.13,160.38) ; C66.2 v2(74.69,171.95) ; C812.2 v2(179.96,163.3) ; v2(8.2,114.12) 8.2,114.88 8.51,115.19 C4.2 8.92,115.19 9.22,114.88 v2(9.22,114.12) ; C3045.2 v2(178.82,158.85) ; U107.1 v2(128.78,99.67) ; 40.16,130.99 v1(40.16,131.34) ; v2(12.12,102.08) 12.02,101.98 C638.2 11.36,101.98 v2(11.36,102.84) ; J49.8 v2(103.39,187.72) ; U4.11 v2(70.25,170.15) ; R2567.2 v2(12.07,130.15)